# Altium PCB high_fre_amp.PcbDoc
Units mil, origin at the board's own origin, x right, y up, seen from the top; angles counter-clockwise.
Board outline 4370 x 2659 mil, 2 copper layers (Top Layer, Bottom Layer), stack 61.756 mil thick; 28 components, 15 nets, 67 pads, 0 vias.
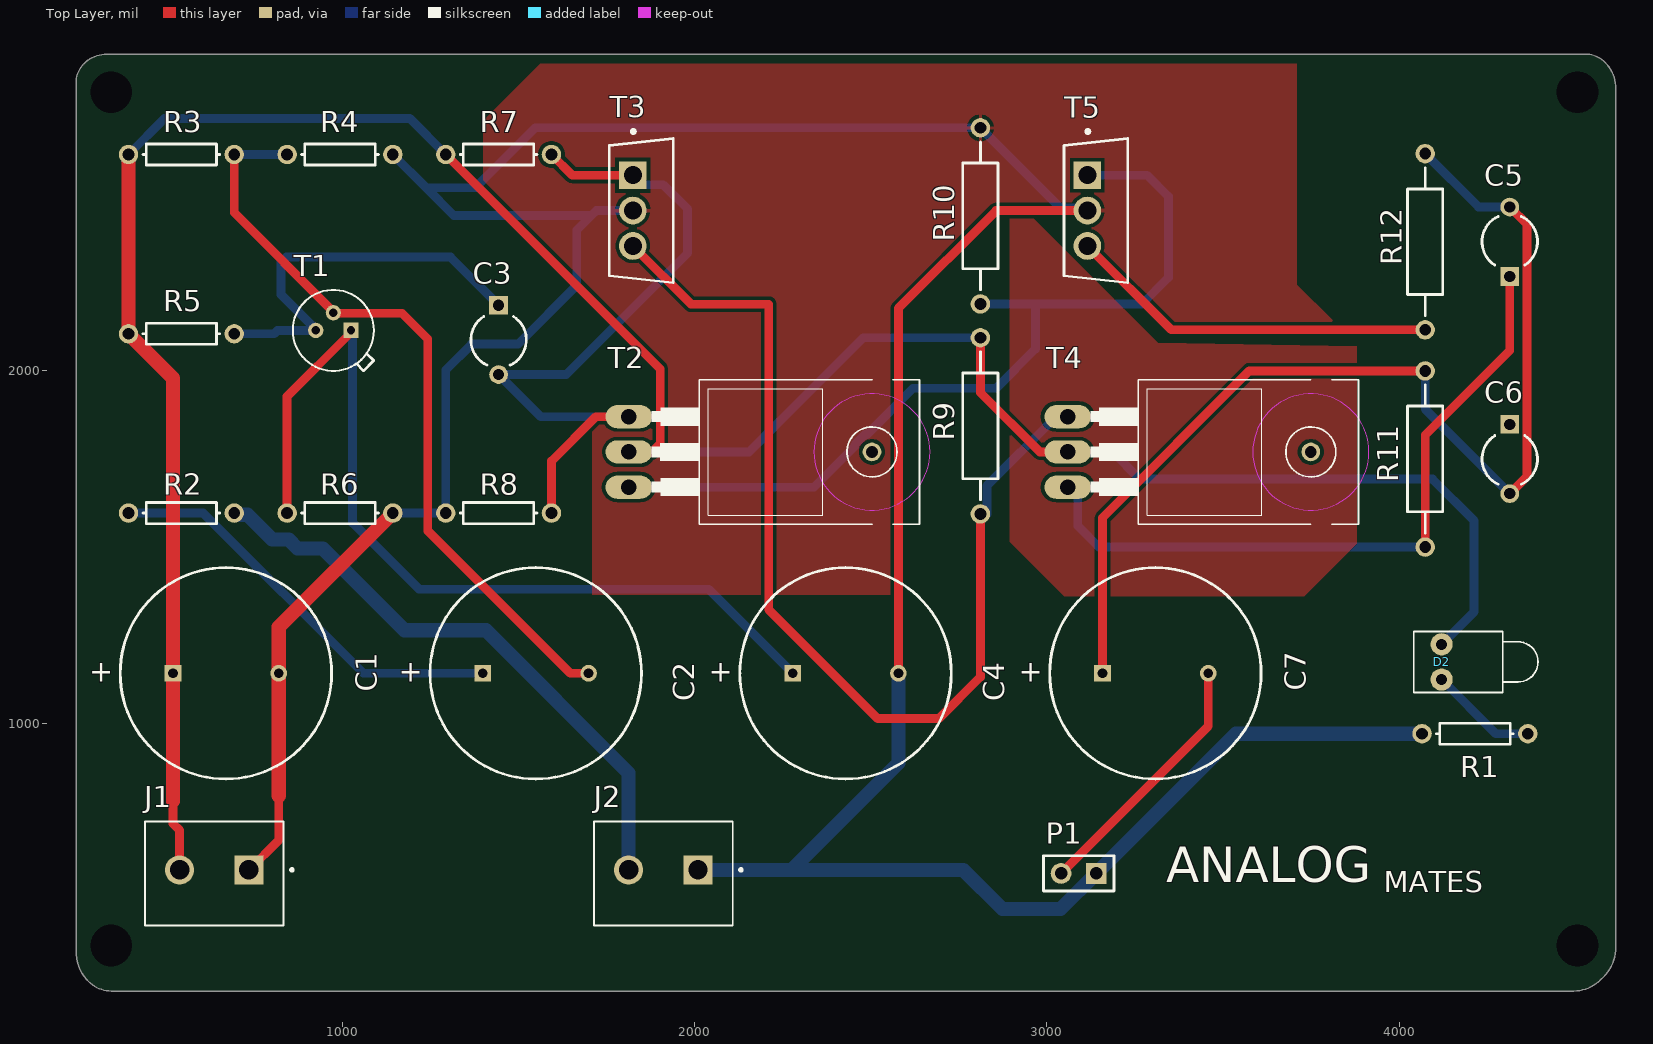
[diagram p0: Top Layer view]
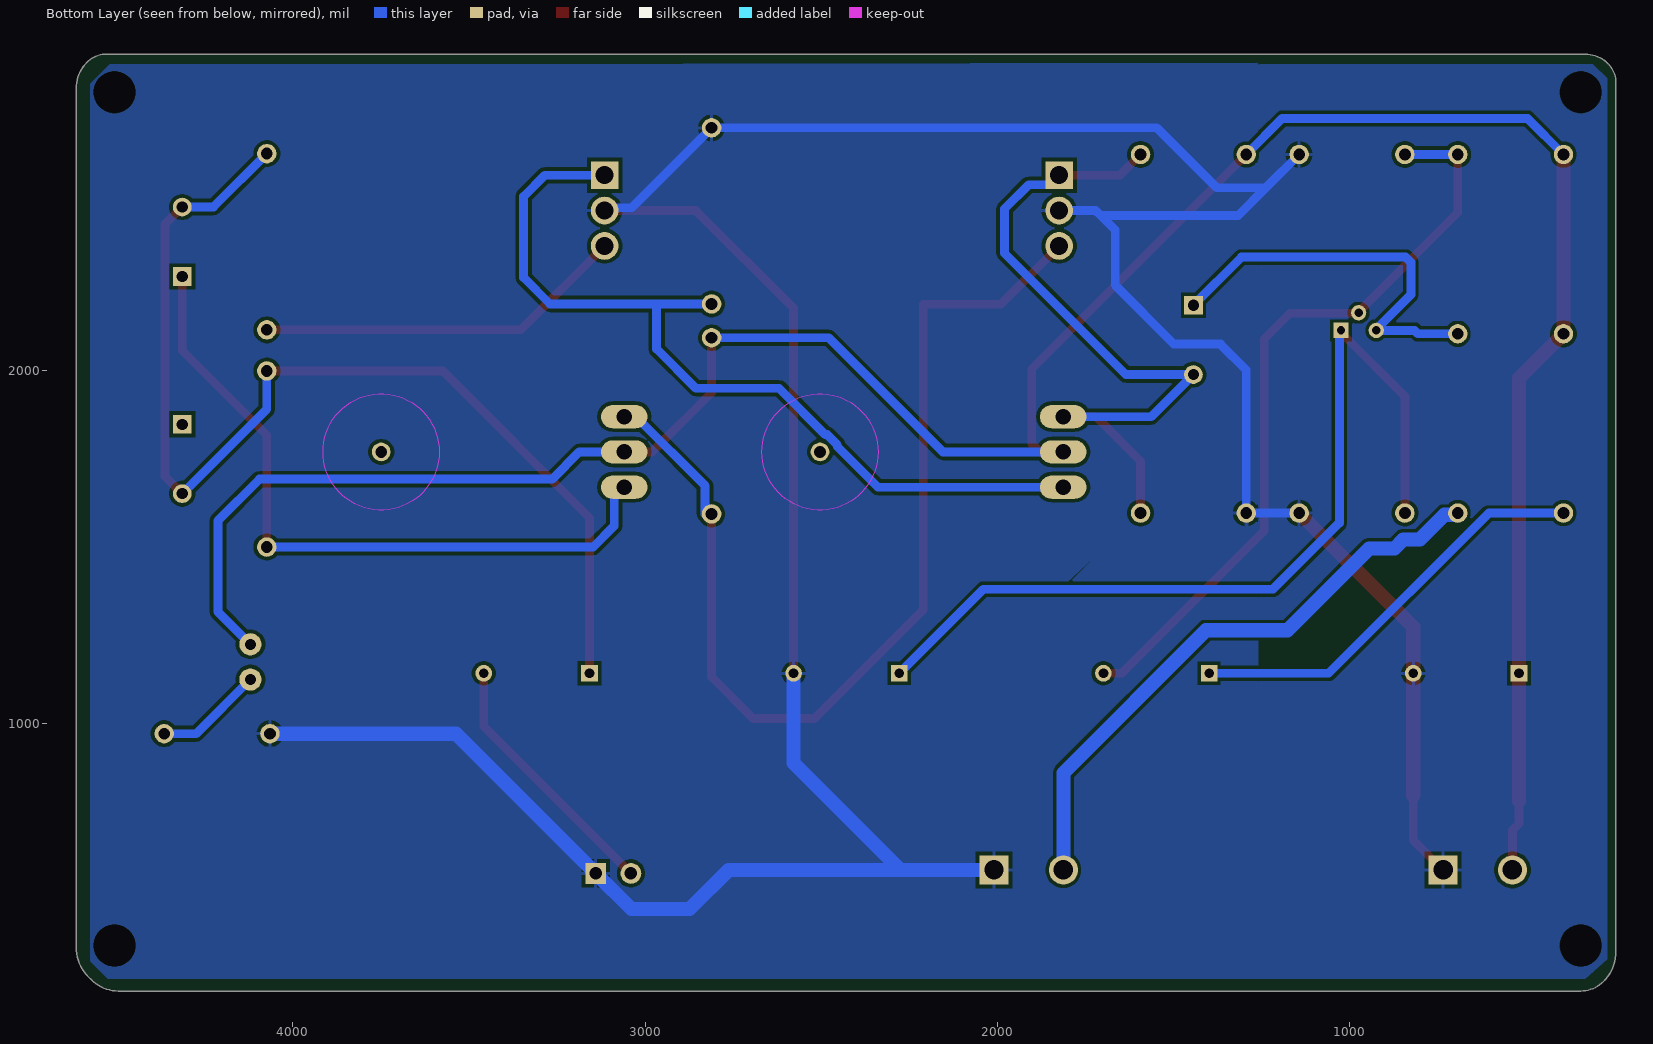
[diagram p1: Bottom Layer view, seen from below]

## Layer stack, top to bottom
Top Solder: solder mask 1, SM-001, Dk 4
Top Layer: signal copper 1.378
Dielectric 1: core 59, Core-043, Dk 4.6
Bottom Layer: signal copper 1.378
Bottom Solder: solder mask 1, SM-001, Dk 4

## Board outline
245,352 245,2787 245,2818.89 cw(c320.11,2818.89) 267,2872 cw(c332.18,2806.82) 332.18,2899 4528.47,2899 cw(c4528.47,2820.47) 4584,2876 cw(c4509.16,2801.16) 4615,2801.16 4615,365 cw(c4494.29,365) 4579.64,279.64 4571.66,271.66 cw(c4495.22,348.1) 4495.22,240 344.68,240 cw(c344.68,330.97) 280.36,266.64 cw(c365.71,352)

## Design rules (kind name [scope] priority, off if disabled: settings)
Clearance [All] p1: gap=10 ignorepadtopadclearanceinfootprint=FALSE except(0: Arc-Hole Track-Hole SMDPad-Hole THPad-Hole Via-Hole Fill-Hole Poly-Hole Region-Hole Text-Hole)
ComponentClearance [All] p1: gap=10 collisioncheckmode=3 verticalgap=10 showdistances=FALSE donotcheckwithout3dbody=TRUE
MinimumSolderMaskSliver [All] p1: minsoldermaskwidth=5
PolygonConnect [All] p1: connectstyle=Relief reliefconductorwidth=10 reliefentries=4 polygonreliefangle="90 Angle" airgapwidth=10
RoutingTopology [All] p1: topology=Daisy_Balanced
RoutingVias [All] p1: holewidth=28 width=50 viastyle="Through Hole" minholewidth=28 minwidth=50 maxholewidth=28 maxwidth=50
SilkToSilkClearance [All] p1: silktosilkclearance=5
SilkToSolderMaskClearance [IsText] p1: minsilkscreentomaskgap=10 clearancetoexposedcopper=TRUE
SolderMaskExpansion [All] p1: expansion=4 istentingtop=FALSE
UnRoutedNet [All] p1: checkbadconnections=TRUE
Width [All] p1: maxlimit=50 minlimit=10 preferedwidth=25 minimp=50.000000 maximp=50.000000 favimp=50.000000
24 further rules are at their usual default settings.

## Components (designator, comment, footprint, x,y, rotation, side; value= is the part's Value field where it differs from the comment)
C1 "Cap Pol1" RB7.6-15 670,1141.73 r180 top value=100pF
C2 "Cap Pol1" RB7.6-15 1549.38,1141.73 r180 top value=4.7uF
C3 "Cap2" CAPR5-4X5 1444,2088 r270 top value=100uF
C4 "Cap Pol1" RB7.6-15 2428.76,1141.73 r180 top value=1000uF
C5 "Cap2" CAPR5-4X5 4313.88,2366.61 r90 top value=100pF
C6 "Cap2" CAPR5-4X5 4313.88,1750 r270 top value=100pF
C7 "Cap Pol1" RB7.6-15 3308.15,1141.73 r180 top value=100uF
D2 "LED1" LED-1 4120.44,1174 r0 top
J1 "12V" HANDSON_KF301-2P 637,583.6 r180 top
J2 "Signal Source" HANDSON_KF301-2P 1911.41,583.6 r180 top
P1 "8ohm speaker" HDR1X2 3140.41,573.76 r180 top
R1 "Res1" AXIAL-0.3 4215,970.26 r180 top value=1K
R2 "Res1" AXIAL-0.3 543.7,1596.44 r180 top value=1.2K
R3 "Res1" AXIAL-0.3 543.7,2614.23 r180 top value=10K
R4 "Res1" AXIAL-0.3 993.85,2614.23 r180 top value=2.2K
R5 "Res1" AXIAL-0.3 543.7,2105.33 r180 top value=270Ω
R6 "Res1" AXIAL-0.3 993.85,1596.44 r180 top value=56Ω
R7 "Res1" AXIAL-0.3 1444,2614.23 r180 top value=2.2K
R8 "Res1" AXIAL-0.3 1444,1596.44 r0 top value=2.2K
R9 "Res Semi" AXIAL-0.5 2811.35,1844.06 r90 top value=68ohm
R10 "Res Semi" AXIAL-0.5 2811.35,2440 r270 top value=68ohm
R11 "Res Semi" AXIAL-0.5 4073.88,1750 r270 top value=2.2ohm
R12 "Res Semi" AXIAL-0.5 4073.88,2366.61 r90 top value=2.2ohm
T1 "2N2222A" FP-2N2222A-MFG 975,2115 r0 top
T2 "TIP31C" TO220 2063.74,1770 r270 top
T3 "TIP32C" FP-TO-220-P0A0015988-MFG 1848.92,2455 r0 top
T4 "TIP31C" TO220 3309.31,1770 r270 top
T5 "TIP32C" FP-TO-220-P0A0015988-MFG 3138.92,2455 r0 top

## Footprints (in the part's own frame and the unit in brackets; to place one, negate y for a bottom-side part, rotate by r counter-clockwise, add the part's x,y. Pads: shape width x height; smd on the part's side, far side on the other; paste and mask are expansions set on the pad)
AXIAL-0.3 [mm] "Axial Device, Thru-Hole; 2 Leads; 0.3 in Pin Spacing"
  round 1.4 hole 0.85: 1(-3.81,0) 2(3.81,0)
  silkscreen extent -2.77,-0.76 2.77,0.76
AXIAL-0.5 [mm] "Axial Device, Thru-Hole; 2 Leads; 0.5 in Pin Spacing"
  round 1.4 hole 0.85: 1(-6.35,0) 2(6.35,0)
  silkscreen extent -5.33,-1.27 5.33,1.27
CAPR5-4X5 [mm] "Capacitor; 2 Leads"
  rect 1.35x1.35 hole 0.8: 1(-2.5,0)
  round 1.35 hole 0.8: 2(2.5,0)
  silkscreen extent -1.69,-2 1.82,2
FP-2N2222A-MFG [mm]
  rect 1.1x1.1 hole 0.6 paste-2539.97 mask+0: 1(1.27,0)
  round 1.1 hole 0.6 paste-2539.97 mask+0: 2(0,1.27) 3(-1.27,0)
  silkscreen extent -2.92,-2.92 2.92,2.92, body extent -3.02,-3.02 3.02,3.02, height 0.25
FP-TO-220-P0A0015988-MFG [mm]
  rect 2x2 hole 1.3 paste-2539.97 mask+0: 1(-0.607,2.55)
  round 2 hole 1.3 paste-2539.97 mask+0: 2(-0.607,0) 3(-0.607,-2.55)
  silkscreen extent -2.3,-5.2 2.3,5.82, body extent -2.4,-5.3 2.4,5.3, height 0.25
HANDSON_KF301-2P [mm]
  rect 2.1x2.1 hole 1.4: 1(-2.5,0)
  round 2.1 hole 1.4: 2(2.5,0)
  silkscreen extent -5.7,-3.5 5,4
HDR1X2 [mm] "Connector; Header; 2 Position"
  rect 1.5x1.5 hole 0.9: 1(0,0)
  round 1.5 hole 0.9: 2(2.54,0)
  silkscreen extent -1.27,-1.27 3.81,1.27
LED-1 [mm] "LED; 2 Leads"
  round 1.6 hole 0.8: 1(0,1.27) 2(0,-1.27)
  silkscreen extent -2,-2.2 6.95,2.2
RB7.6-15 [mm] "Polarized Capacitor (Radial); 2 Leads"
  rect 1.2x1.2 hole 0.7: 1(3.81,0)
  round 1.2 hole 0.7: 2(-3.81,0)
  silkscreen extent -7.62,-7.62 7.62,7.62
TO220 [mil]
  oval 66x132 hole 44: 1(-100,-250) 2(0,-250) 3(100,-250)
  round 53.15 hole 33.47 unplated: ""(0,440)
  Keep-Out Layer circle w0: c0,440 r165
  Keep-Out Layer circle w0: c0,440 r165
  silkscreen extent -205,-185 205,575, body extent -199,-71 199,105, height 781

## Part data
C1: "Polarized Capacitor (Radial)", LatestRevisionDate=17-Jul-2002, LatestRevisionNote="Re-released for DXP Platform.", PackageDescription="Polarized Capacitor (Radial); 2 Leads", PackageReference=RB7.6-15, Published=8-Jun-2000, Publisher="Altium Limited"
C2 C4 C7: library part Cap2, "Capacitor", PackageDescription="Capacitor; 2 Leads", PackageReference=CAPR5-4X5, Published=23-Sep-2002, Publisher="Altium Limited"
C3 C5 C6: "Capacitor", PackageDescription="Capacitor; 2 Leads", PackageReference=CAPR5-4X5, Published=23-Sep-2002, Publisher="Altium Limited"
D2: "Typical RED GaAs LED", LatestRevisionDate=08-Jul-2005, LatestRevisionNote="Mech Layer 1 removed.", PackageDescription="LED; 2 Leads", PackageReference=LED-1, Published=8-Jun-2000, Publisher="Altium Limited"
J1 J2: library part KF301-2P, "2 Pin Terminal Block 5mm Pitch", Package=None, Availability=Unavailable, MP=KF301-2P, Price=None
P1: library part "Header 2", "Header, 2-Pin", LatestRevisionDate=17-Jul-2002, LatestRevisionNote="Re-released for DXP Platform.", Publisher="Altium Limited"
R1 R2 R3 R4 R5 R6 R7 R8: "Resistor", LatestRevisionDate=17-Jul-2002, LatestRevisionNote="Re-released for DXP Platform.", PackageDescription="Axial Device, Thru-Hole; 2 Leads; 0.3 in Pin Spacing", PackageReference=AXIAL-0.3, Published=8-Jun-2000, Publisher="Altium Limited"
R9 R10 R11 R12: "Semiconductor Resistor", LatestRevisionDate=17-Jul-2002, LatestRevisionNote="Re-released for DXP Platform.", PackageDescription="Axial Device, Thru-Hole; 2 Leads; 0.5 in Pin Spacing", PackageReference=AXIAL-0.5, Published=8-Jun-2000, Publisher="Altium Limited"
T1: library part CMP-50385-000001-1, "T-NPN SI- AUDIO VHF AMP", Case/Package=TO-18, Collector Emitter Breakdown Voltage=40V, Max Operating Temperature=200°C, Max Power Dissipation=1.2W, Transition Frequency=300MHz, Collector Emitter Voltage (VCEO)=40V, Lead Free="Contains Lead", Number of Pins=3, Polarity=NPN, REACH SVHC="No SVHC"
T2 T4: "Transistor bipolar (BJT) NPN 100 V 3 A 3 MHz 2 W Orificio pasante TO-220-3", Package="TO-220-3 ON", Check_prices=https://www.snapeda.com/parts/TIP31C/Onsemi/view-part/?ref=eda, Digi-Key_Part_Number=TIP31COS-ND, MF="ON Semiconductor", MP=TIP31C, Purchase-URL=https://pricing.snapeda.com/search/part/TIP31C/?ref=eda, SnapEDA_Link=https://www.snapeda.com/parts/TIP31C/Onsemi/view-part/?ref=snap
T3 T5: library part CMP-12195-000005-1, "TRANS PNP 100V 3A TO-220", Collector Base Voltage=-100V, Collector Emitter Saturation Voltage=-1.2V, Emitter Base Voltage=-5V, Manufacturer=STMicroelectronics, Max Collector Current=-3A, Max Junction Temp=+150°C, Package=TO-220-P0A0015988, Power Dissipation=2W, Temperature="to +150°C", Automotive=No, Category=Trans, Collector Emitter Voltage=-100V, ComponentLink2Description=Datasheet, ComponentLink2URL=https://www.st.com/resource/en/datasheet/tip32c.pdf, Device Class L1="Discrete Semiconductors", Device Class L2=Transistors, Device Class L3=BJTs, Digikey Description="TRANS PNP 100V 3A TO-220", Height=19.68mm, Hfe Max=50, Hfe Min=10, Hfe Testic=-3A, Hfe Testvce=-4V, Lead Free=Yes, Manufacturer Part Number=TIP32C, Mouser Description="Original ST Microelectronics Transistor, 100V, 3A, .22 Ohm, TO-220 Package", Number Of Elements=1, Number Of Pnp=1, Octopart=https://octopart.com/tip32c-stmicroelectronics-353617, RoHS=TRUE, Standoff Height=3.5mm, Temperature Range High=+150°C

## Free pads (board coordinates)
  round 85 hole 118.11 unplated: MH(345,369) MH(345,2791) MH(4506,369) MH(4506,2791)

## Nets (pads, with @x,y where several pads share a name; then routed paths per layer and width w, separated by ;. In a path a pad name is that pad's centre, name@x,y a point inside that pad or via, vN(x,y) a via of type N, cw(c..) or ccw(c..) an arc to the next point about the centre after c; other vN are vias at no path point)
+12: C1.1 D2.1 J1.2 R3.2 R5.2 R7.2 R9.2 T2.2 T4.2 | length 7476.2
  Top Layer w25: 520,779.21 520,714.63 538.57,696.05 J1.2 ; R7.2 1903,2005.23 1903,1793 1880,1770 T2.2 ; R9.2 2811.35,1938.65 2980,1770 T4.2
  Top Layer w40: R3.2 R5.2 520,1979.03 C1.1 520,779.21
  Bottom Layer w25: R3.2 496,2716.54 1191.7,2716.54 R7.2 ; T2.2 2155,1770 2479.06,2094.06 R9.2 ; T4.2 3187,1770 3264.09,1692.91 4094.49,1692.91 4212.6,1574.8 4212.6,1316.16 D2.1
GND: C1.2 C4.2 J1.1 J2.1 P1.1 R1.2 R4.1 R6.1 R8.1 R10.1 T3.2 T5.2 | length 9906.3
  Top Layer w25: J1.1 820,668.17 820,794.17 ; C4.2 2578.76,2177.76 2856,2455 T5.2
  Top Layer w40: 820,794.17 C1.2 820,1272.59 R6.1
  Bottom Layer w25: R6.1 R8.1 1294,2002.66 1367.34,2076 1499,2076 1666,2243 1666,2400 1706.95,2440.95 ; R4.1 1238.4,2519.68 ; T3.2 1721,2455 1706.95,2440.95 ; T5.2 3106.78,2463.22 3038.13,2463.22 R10.1 1548.27,2690 1377.95,2519.68 1238.4,2519.68 ; 1238.4,2519.68 1317.14,2440.95 1706.95,2440.95
  Bottom Layer w40: J2.1 2275.6,583.6 ; C4.2 2578.76,886.76 2275.6,583.6 ; R1.2 3536.91,970.26 P1.1 3039.09,472.44 2874.02,472.44 2762.86,583.6 2275.6,583.6
NetC2_1: C2.1 R2.2 | length 1194
  Bottom Layer w25: R2.2 606,1596.44 1060.71,1141.73 C2.1
NetC2_2: C2.2 R3.1 R4.2 T1.2 | length 2177.9
  Top Layer w25: R3.1 693.7,2449.67 975,2168.37 T1.2 ; T1.2@979.75,2163.62 1170,2163.62 1243,2090.62 1243,1546 1647.27,1141.73 C2.2
  Bottom Layer w25: R3.1 R4.2
NetC3_1: C3.1 R5.1 T1.3 | length 1148
  Bottom Layer w25: R5.1 807,2105.33 816.67,2115 T1.3 ; T1.3@926.68,2116.68 826.77,2216.6 826.77,2308.19 841.42,2322.83 1307.59,2322.83 C3.1
NetC3_2: C3.2 R7.1 R8.2 T2.1 T3.1 | length 2093.1
  Top Layer w25: R8.2 1594,1744 1720,1870 T2.1 ; R7.1 1652.84,2555.39 T3.1
  Bottom Layer w25: T2.1 1563.57,1870 C3.2 1635.24,1989.57 1980,2334.33 1980,2460 1911.48,2528.52 1851.87,2528.52 T3.1
NetC4_1: C4.1 R6.2 T1.1 | length 2565
  Top Layer w25: R6.2 843.85,1927.73 1020.99,2104.86 T1.1@1029.75,2113.62
  Bottom Layer w25: T1.1@1029.75,2113.62 1029.75,1568.68 1218.43,1380 2040.5,1380 C4.1
NetC5_1: C5.1 R11.2 T4.3 | length 2017
  Top Layer w25: R11.2 4073.88,1818 4313.88,2058 C5.1
  Bottom Layer w25: T4.3 3088,1670 3088,1560 3148,1500 R11.2
NetC5_2: C5.2 C6.2 C7.1 R11.1 R12.2 | length 3134.6
  Top Layer w25: C7.1 3158.15,1583.15 3575,2000 R11.1 ; C6.2 4363,1700.69 4363,2415.92 C5.2
  Bottom Layer w25: R11.1 4073.88,1891.57 C6.2 ; R12.2 4225.46,2465.04 C5.2
NetC7_2: C7.2 P1.2 | length 741
  Top Layer w25: P1.2 3458.15,991.49 C7.2
NetD2_2: D2.2 R1.1 | length 308.2
  Bottom Layer w25: D2.2 4274.18,970.26 R1.1
NetJ2_2: J2.2 R2.1 | length 1700.2
  Bottom Layer w40: R2.1 698.36,1591.78 731.05,1591.78 801.68,1521.16 848.34,1521.16 873.43,1496.06 944.88,1496.06 1176.94,1264 1408,1264 1812.99,859.01 J2.2
NetR9_1: R9.1 T3.3 T4.1 | length 2970.9
  Top Layer w25: T3.3 1990.43,2189.17 2211,2189.17 2211,1322 2520,1013 2693,1013 2811.35,1131.35 R9.1
  Bottom Layer w25: R9.1 2830,1594.06 2830,1674 3026,1870 T4.1
NetR10_2: R10.2 T2.3 T5.1 | length 2496.8
  Bottom Layer w25: T2.3 2339.29,1670 2454.66,1785.37 2454.66,1790.33 2483.41,1819.07 2488.37,1819.07 2620.29,1951 2856.51,1951 2967.48,2061.97 2967.48,2190 ; R10.2 2967.48,2190 ; T5.1 3284.61,2555.39 3345,2495 3345,2265 3270,2190 2967.48,2190
NetR12_1: R12.1 T5.3 | length 1057.5
  Top Layer w25: T5.3 3353,2116.61 R12.1
pads on no net: C6.1 T2. T4.

## Polygon pours and split planes (outlines as drawn)
GND on Top Layer "GND_L01_P001" (solid, pour order 1): 3880,2069.44 3880,1510 3730,1360 3050,1360 2895,1515 2895,2440 2955,2440 3315,2080
GND on Top Layer "GND_L01_P000" (solid, remove dead copper, pour order 0): 1562,2872 3710,2872 3710,2245 3930,2025 3930,1560 3735,1365 1710,1365 1710,2075 1400,2385 1400,2710
GND on Bottom Layer "GND_L02_P003" (solid, remove dead copper, pour order 3): 1261.21,2872.69 1258.53,2870 310,2870 270,2830 270,329.94 332.27,275 370,275 1260,275
GND on Bottom Layer "GND_L02_P002" (solid, remove dead copper, pour order 2): 3705,2870 4520,2870 4575,2815 4575,325 4525,275 1260,275 1260,2875

## Other copper
Bottom Layer:
  pour cut-out: 1710,1485 1830,1365 1840,1365

## Silkscreen, mask and mechanical layers (free items; w line width, h text height)
Top Overlay:
  text "ANALOG" at 3338.81,548.93 h100
  text "MATES" at 3955.57,519.82 h60
Mechanical 1:
  lines w32: 4571.66,271.66 cw(c4495.22,348.1) 4495.22,240 4480,240 344.68,240 cw(c344.68,330.97) 280.36,266.64 cw(c365.71,352) 245,352 245,2787 245,2818.89 cw(c320.11,2818.89) 267,2872 cw(c332.18,2806.82) 332.18,2899 366.01,2899 4528.47,2899 cw(c4528.47,2820.47) 4584,2876 cw(c4509.16,2801.16) 4615,2801.16 4615,435 4615,365 cw(c4494.29,365) 4579.64,279.64

## Text inside footprints (layer, text, board x,y; h text height)
C1: Top Overlay "+" at 349.85,1170.74 h59.06 r180
C2: Top Overlay "+" at 1229.23,1170.74 h59.06 r180
C4: Top Overlay "+" at 2108.61,1170.74 h59.06 r180
C7: Top Overlay "+" at 2987.99,1170.74 h59.06 r180
T2: Mechanical 13 "3" at 2063.74,1694.91 h50.06 r270; Mechanical 13 "2" at 2063.74,1795.01 h50.03 r270; Mechanical 13 "1" at 2063.74,1895.23 h50.09 r270
T4: Mechanical 13 "1" at 3309.31,1895.23 h50.09 r270; Mechanical 13 "2" at 3309.31,1795.01 h50.03 r270; Mechanical 13 "3" at 3309.31,1694.91 h50.06 r270